# Altium PCB PowerSupply.PcbDoc
Units mil, origin at the board's own origin, x right, y up, seen from the top; angles counter-clockwise.
Board outline 3937.01 x 3937.01 mil, 2 copper layers (Top Layer, Bottom Layer); 88 components, 60 nets, 305 pads, 83 vias.
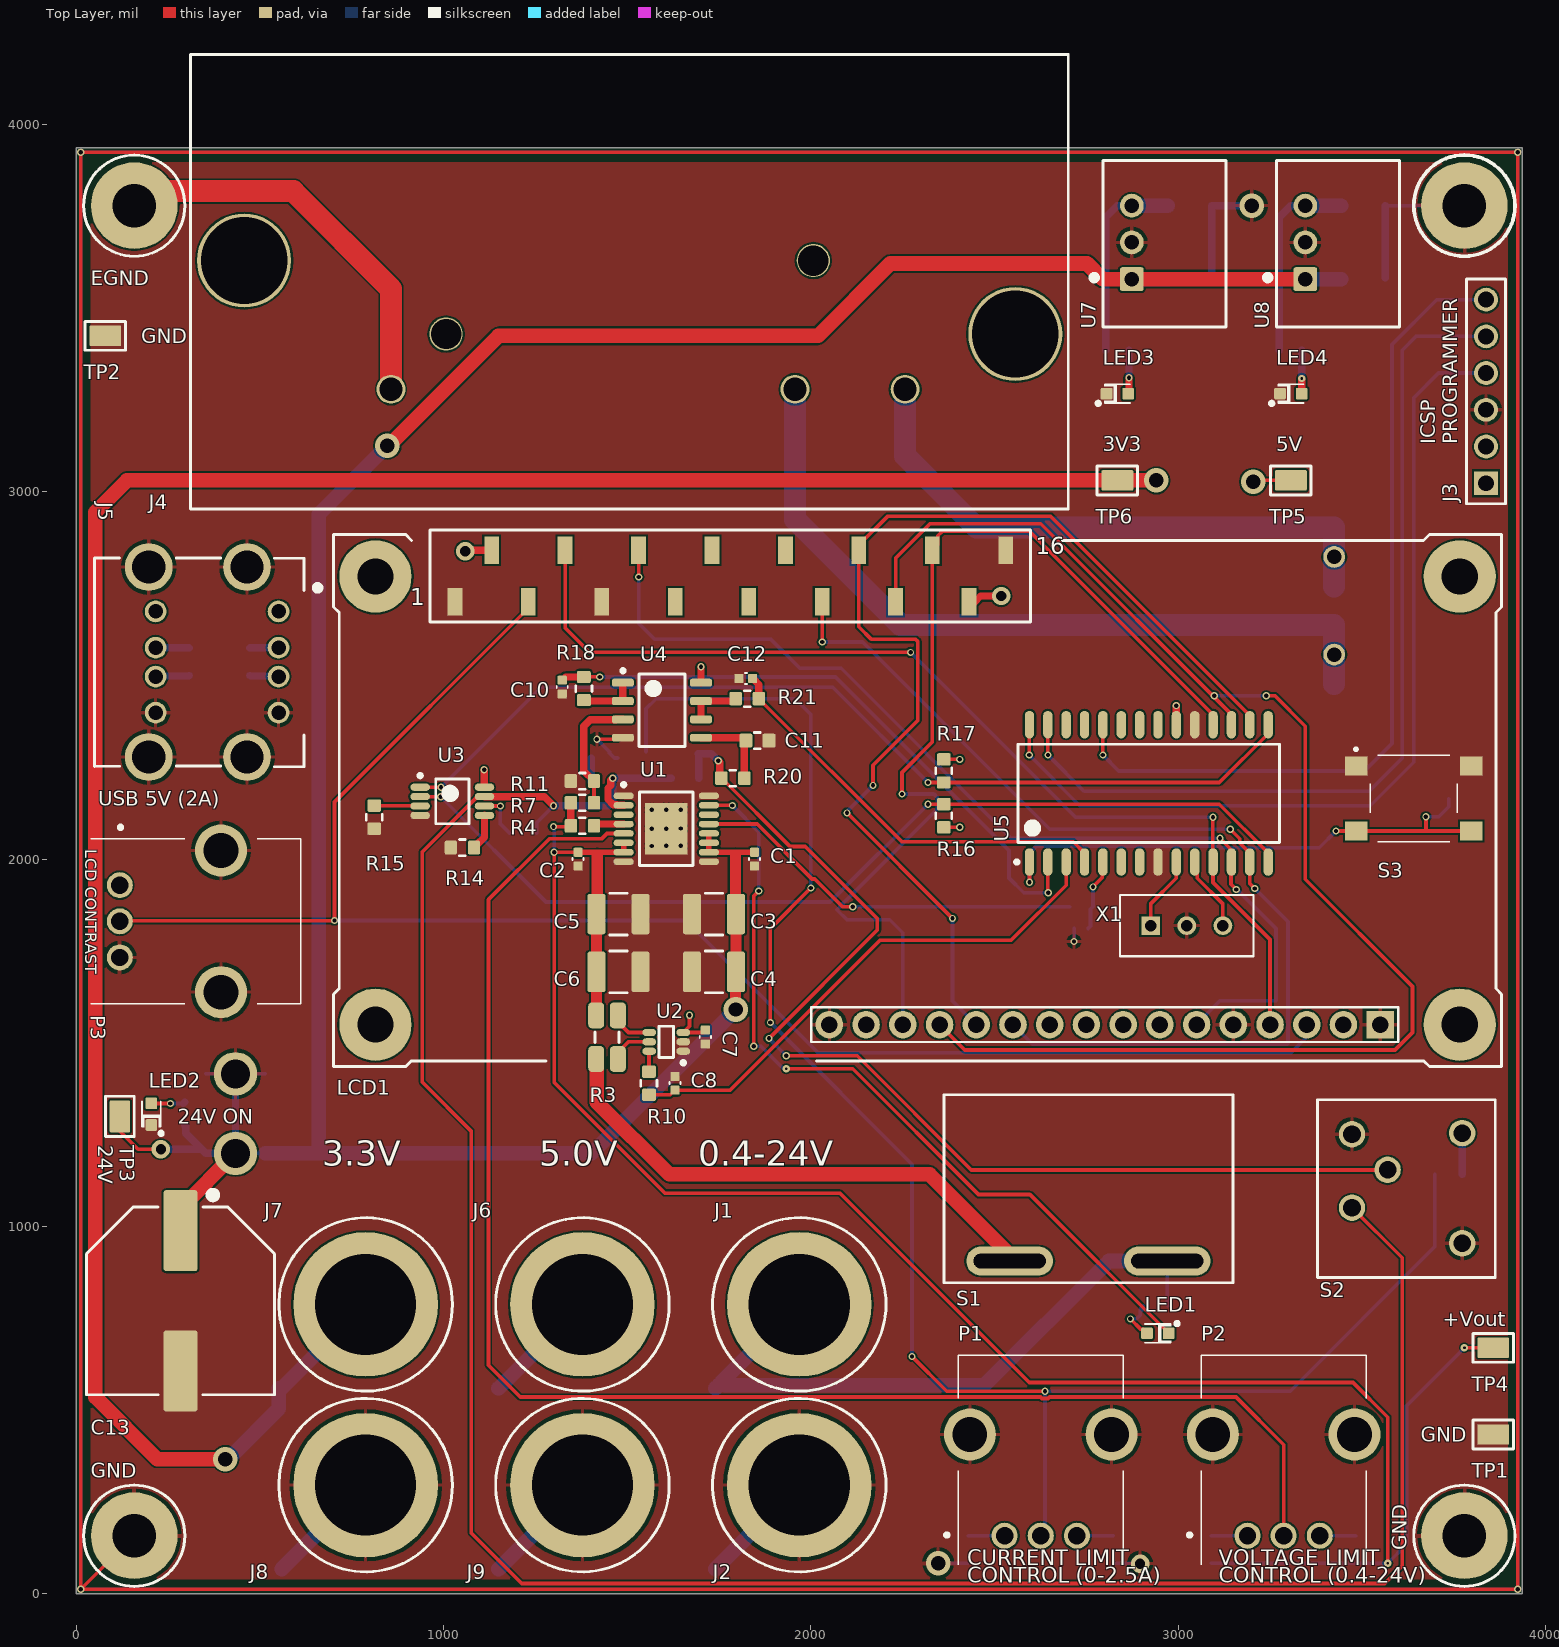
[diagram p0: Top Layer view]
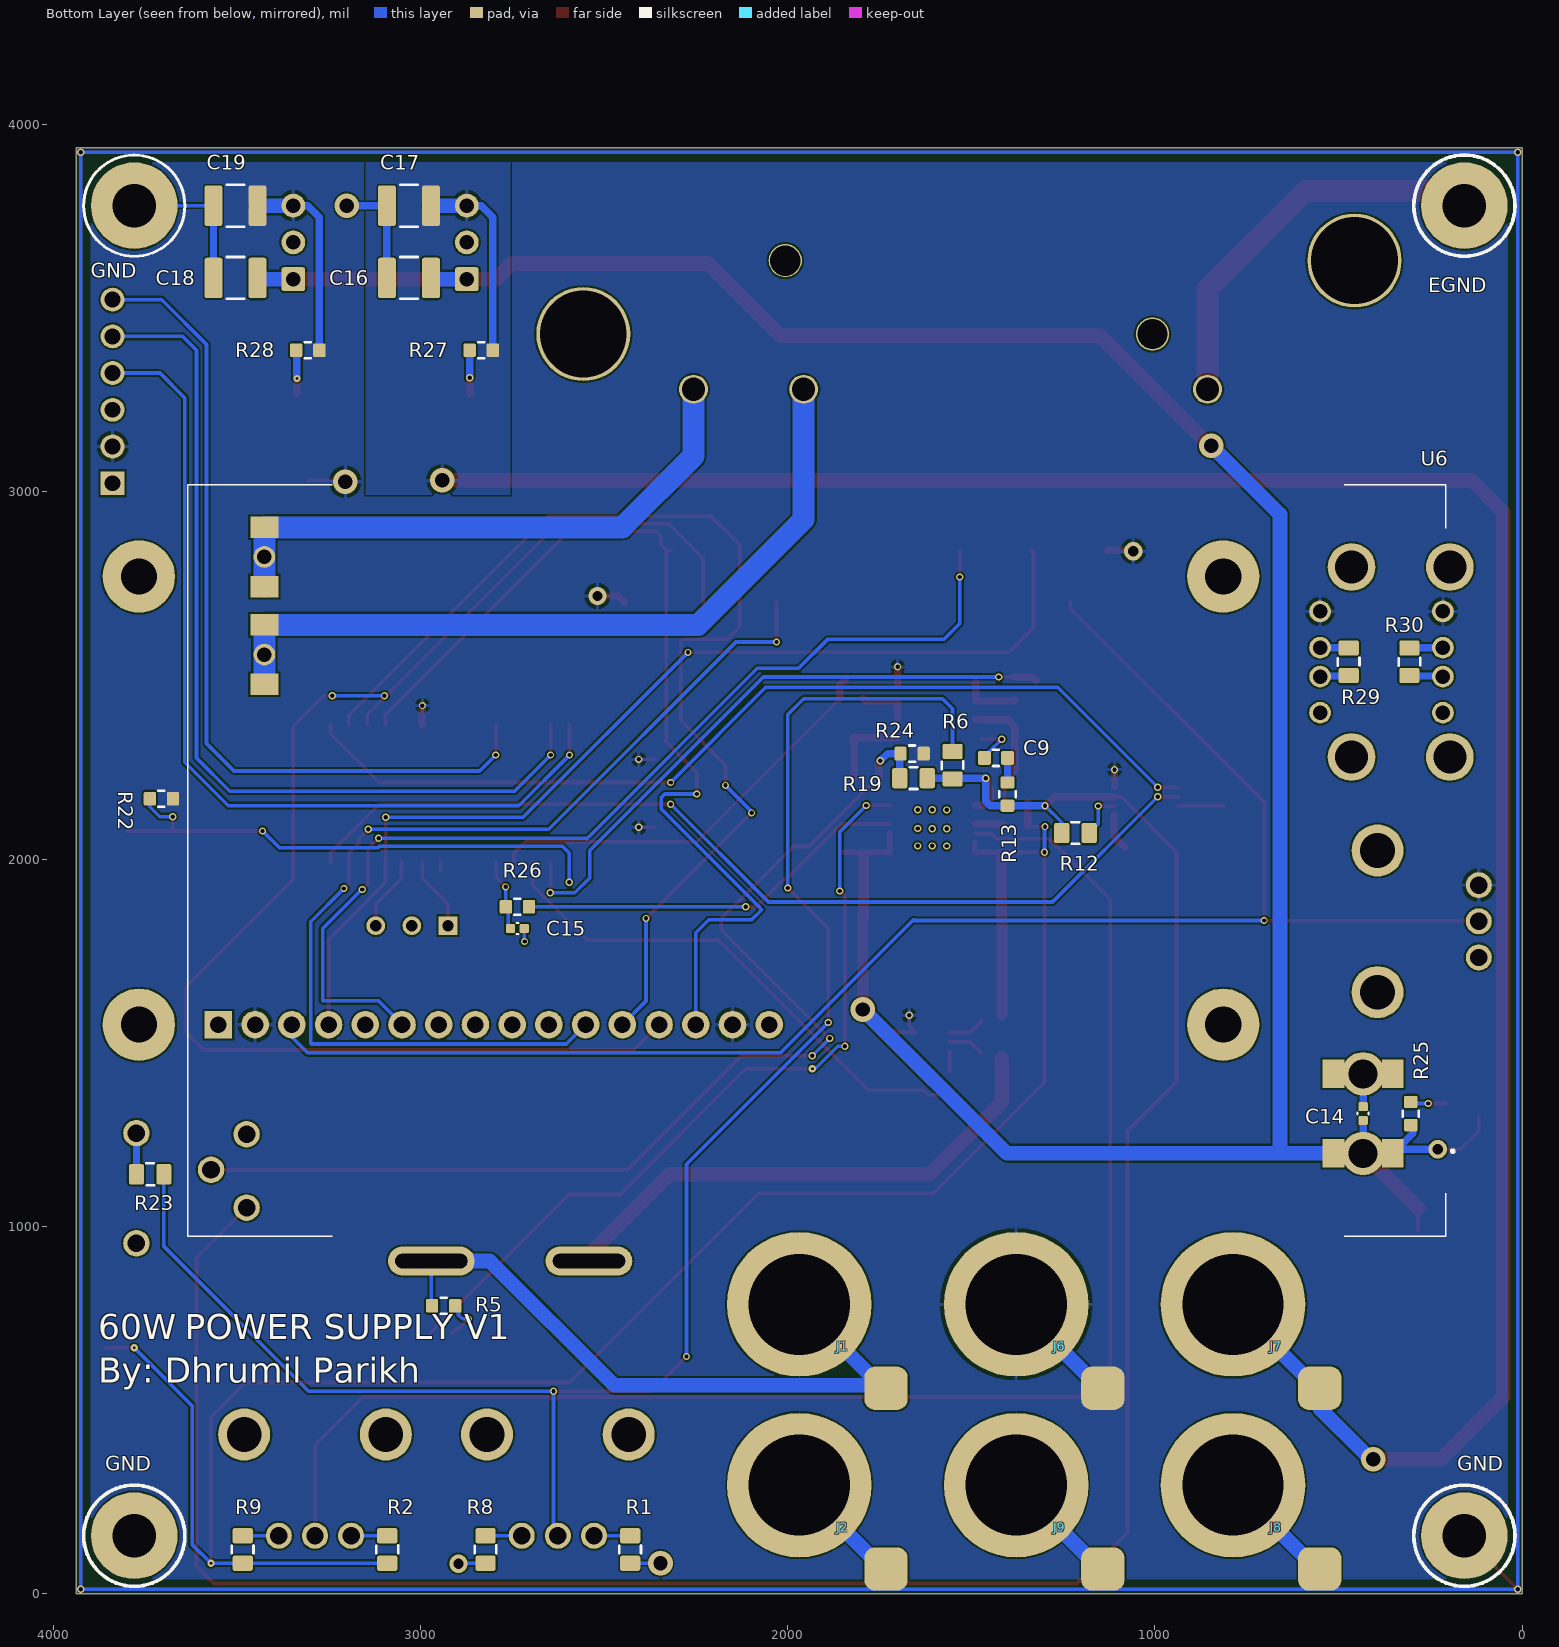
[diagram p1: Bottom Layer view, seen from below]

## Layer stack, top to bottom
Top Solder: solder mask 0.4, Solder Resist, Dk 3.5
Top Layer: signal copper 1.4
Dielectric 1: dielectric 12.6, FR-4, Dk 4.8
Bottom Layer: signal copper 1.4
Bottom Solder: solder mask 0.4, Solder Resist, Dk 3.5

## Board outline
0,0 3937.01,0 3937.01,3937.01 0,3937.01

## Design rules (kind name [scope] priority, off if disabled: settings)
Clearance [All] p1: gap=5 ignorepadtopadclearanceinfootprint=FALSE
ComponentClearance [All] p1: gap=10 collisioncheckmode=3 verticalgap=0 showdistances=FALSE
Height [All] p1: minheight=0 maxheight=3937.01 prefheight=500
HoleSize [All] p1: absolutevalues=TRUE maxlimit=393.7 minlimit=1 maxpercent=80.000 minpercent=20.000
MinimumAnnularRing [All] p1: minimumring=3
MinimumSolderMaskSliver [All] p1: minsoldermaskwidth=5
PolygonConnect [All] p1: thpad.connectstyle=Relief thpad.reliefconductorwidth=10 thpad.reliefentries=4 thpad.polygonreliefangle="90 Angle" thpad.airgapwidth=10 smdpad.connectstyle=Direct smdpad.reliefconductorwidth=10 smdpad.reliefentries=4 smdpad.polygonreliefangle="90 Angle" smdpad.airgapwidth=10 via.connectstyle=Relief via.reliefconductorwidth=10 via.reliefentries=4 via.polygonreliefangle="90 Angle" via.airgapwidth=10
RoutingVias [All] p1: holewidth=11.81 width=19.68 viastyle="Through Hole" minholewidth=7.87 minwidth=17.72 maxholewidth=50 maxwidth=70
SilkToSilkClearance [All] p1: silktosilkclearance=5
SilkToSolderMaskClearance [IsPad] p1: minsilkscreentomaskgap=2 clearancetoexposedcopper=TRUE
SolderMaskExpansion [All] p1: expansion=4
UnRoutedNet [All] p1: checkbadconnections=TRUE
Width [All] p1: maxlimit=100 minlimit=10 preferedwidth=10
23 further rules are at their usual default settings.

## Components (designator, comment, footprint, x,y, rotation, side; value= is the part's Value field where it differs from the comment)
C1 "CAP CER 0.1UF 50V X7R 0402" CAPC1005X06N 1846.46,2000 r270 top locked value=0.1uF
C2 "CAP CER 0.1UF 50V X7R 0402" CAPC1005X06N 1366.14,2000 r270 top locked value=0.1uF
C3 "CAP CER 10UF 50V X7S 1210" CAPC3225X28N 1736.22,1850.39 r180 top locked value=10uF
C4 "CAP CER 10UF 50V X7S 1210" CAPC3225X28N 1736.22,1692.91 r180 top locked value=10uF
C5 "CAP CER 10UF 50V X7S 1210" CAPC3225X28N 1476.38,1850.39 r0 top locked value=10uF
C6 "CAP CER 10UF 50V X7S 1210" CAPC3225X28N 1476.38,1692.91 r0 top locked value=10uF
C7 "CAP CER 0.1UF 50V X7R 0402" CAPC1005X06N 1712.6,1515.75 r270 top value=0.1uF
C8 "CAP CER 0.1UF 50V X7R 0402" CAPC1005X06N 1629.92,1389.76 r90 top value=0.1uF
C9 "CAP CER 10000PF 50V 5% C0G 0603" CAPC1608X09N 1433.07,2275.59 r180 bottom locked value=10nF
C10 "CAP CER 0.1UF 50V X7R 0402" CAPC1005X06N 1322.83,2468.5 r270 top locked value=0.1uF
C11 "CAP CER 10000PF 50V 5% C0G 0603" CAPC1608X09N 1854.33,2322.83 r180 top value=10nF
C12 "CAP CER 0.1UF 50V X7R 0402" CAPC1005X06N 1822.83,2492.13 r180 top locked value=0.1uF
C13 "CAP ALUM 100UF 20% 100V SMD" CAPAE1300X1400N 283.46,797.24 r270 top locked value=100uF
C14 "CAP CER 0.1UF 50V X7R 0402" CAPC1005X06N 433.07,1307.09 r90 bottom value=0.1uF
C15 "CAP CER 0.1UF 50V X7R 0402" CAPC1005X06N 2736.22,1811.02 r180 bottom value=0.1uF
C16 "CAP CER 10UF 50V X7S 1210" CAPC3225X28N 3031.5,3582.68 r0 bottom locked value=10uF
C17 "CAP CER 10UF 50V X7S 1210" CAPC3225X28N 3031.5,3779.53 r0 bottom locked value=10uF
C18 "CAP CER 10UF 50V X7S 1210" CAPC3225X28N 3503.94,3582.68 r0 bottom locked value=10uF
C19 "CAP CER 10UF 50V X7S 1210" CAPC3225X28N 3503.94,3779.53 r0 bottom locked value=10uF
EGND "MTG_HOLE PTH, 3.0mm" MH_PTH_H3.0mmXP6.0mm 157.48,3779.53 r90 top locked value=PTH_3.0MM (schematic designator H4)
GND "MTG_HOLE PTH, 3.0mm" MH_PTH_H3.0mmXP6.0mm 3779.53,157.48 r90 top locked value=PTH_3.0MM (schematic designator H1)
GND "MTG_HOLE PTH, 3.0mm" MH_PTH_H3.0mmXP6.0mm 3779.53,3779.53 r90 bottom locked value=PTH_3.0MM (schematic designator H2)
GND "MTG_HOLE PTH, 3.0mm" MH_PTH_H3.0mmXP6.0mm 157.48,157.48 r90 top value=PTH_3.0MM (schematic designator H3)
J1 "CONN BIND POST KNURLED RED" PRT-09739 1968.5,787.4 r0 top locked value="Binding Post Red"
J2 "CONN BIND POST KNURLED BLACK" PRT-09740 1968.5,295.28 r0 top locked value="Binding Post Black"
J3 "CONN HEADER VERT 6POS 2.54MM" 61300611121 3838.58,3023.62 r90 top locked value="HEADER VERT 6POS"
J4 "PWR ENT MOD RCPT IEC320-C14 PNL" KP01.1112.11 456.69,3629.92 r180 top value="Power Entry Connector"
J5 "CONN RCPT TYPEA STACK 8POS VERT" USB-A2VSW6 550.39,2536.61 r270 top value=USB-A2VSW6
J6 "CONN BIND POST KNURLED RED" PRT-09739 1377.95,787.4 r0 top locked value="Binding Post Red"
J7 "CONN BIND POST KNURLED RED" PRT-09739 787.4,787.4 r0 top locked value="Binding Post Red"
J8 "CONN BIND POST KNURLED BLACK" PRT-09740 787.4,295.28 r0 top locked value="Binding Post Black"
J9 "CONN BIND POST KNURLED BLACK" PRT-09740 1377.95,295.28 r0 top locked value="Binding Post Black"
LCD1 "STANDARD LCD 16X2 + EXTRAS" LCD_16pin 715.75,2868.11 r0 top locked value="LCD 16X2"
LED1 "LED GREEN" "LED LTST-C190KGKT" 2944.88,708.66 r0 top value=GREEN
LED2 "LED GREEN" "LED LTST-C190KGKT" 203.94,1305.53 r270 top locked value=GREEN
LED3 "LED GREEN" "LED LTST-C190KGKT" 2834.65,3267.72 r180 top locked value=GREEN
LED4 "LED GREEN" "LED LTST-C190KGKT" 3307.09,3267.72 r180 top locked value=GREEN
P1 "POT 10K OHM 1/20W CARBON LOG" PTV09A 2527.56,157.48 r0 top locked value="POT 10K"
P2 "POT 500K OHM 1/20W CARBON LOG" PTV09A 3188.98,157.48 r0 top locked value="POT 500K OHM 1/20W"
P3 "POT 10K OHM 1/20W CARBON LOG" PTV09A 118.11,1929.13 r270 top value="POT 10K OHM 1/20W"
R1 "RES SMD 0 OHM JUMPER 1/8W 0805" RESC2012X07N 2429.13,120.08 r270 bottom locked value=0R
R2 "RES SMD 0 OHM JUMPER 1/8W 0805" RESC2012X07N 3090.55,120.08 r270 bottom locked value=0R
R3 "RES 0.01 OHM 0.5% 1/2W 1206 WIDE" FC4TR010DER 1444.88,1515.75 r270 top locked value=0R01
R4 "RES SMD 10K OHM 1% 1/4W 0603" RESC1608X06N 1377.95,2090.55 r0 top locked value=10K0
R5 "RES SMD 1K OHM 1% 1/10W 0603" RESC1608X06N 2937.01,783.46 r0 bottom value=1K0
R6 "RES SMD 0 OHM JUMPER 1/8W 0805" RESC2012X07N 1551.18,2255.91 r270 bottom locked value=0R
R7 "RES SMD 40K OHM 0.1% 0.15W 0603" RESC1608X06N 1377.95,2153.54 r180 top locked value=40K
R8 "RES SMD 0 OHM JUMPER 1/8W 0805" RESC2012X07N 2822.83,120.08 r90 bottom locked value=0R
R9 "RES SMD 0 OHM JUMPER 1/8W 0805" RESC2012X07N 3484.25,120.08 r90 bottom locked value=0R
R10 "RES SMD 200 OHM 1% 1/10W 0603" RESC1608X06N 1559.06,1389.76 r270 top value=200R
R11 "RES SMD 10K OHM 1% 1/4W 0603" RESC1608X06N 1377.95,2212.6 r0 top locked value=10K0
R12 "RES SMD 0 OHM JUMPER 1/8W 0805" RESC2012X07N 1216.54,2070.87 r180 bottom value=0R
R13 "RES SMD 1K OHM 1% 1/10W 0603" RESC1608X06N 1401.57,2177.17 r270 bottom locked value=1K0
R14 "RES SMD 40K OHM 0.1% 0.15W 0603" RESC1608X06N 1051.18,2031.5 r0 top locked value=40K
R15 "RES SMD 160K OHM 1% 1/10W 0603" RESC1608X06N 811.02,2114.17 r90 top locked value=160K
R16 "RES SMD 10K OHM 1% 1/4W 0603" RESC1608X06N 2362.2,2118.11 r90 top locked value=10K0
R17 "RES SMD 10K OHM 1% 1/4W 0603" RESC1608X06N 2362.2,2240.16 r270 top locked value=10K0
R18 "RES SMD 200 OHM 1% 1/10W 0603" RESC1608X06N 1381.89,2464.57 r90 top locked value=200R
R19 "RES SMD 0 OHM JUMPER 1/8W 0805" RESC2012X07N 1657.48,2220.47 r180 bottom locked value=0R
R20 "RES SMD 10K OHM 1% 1/4W 0603" RESC1608X06N 1787.4,2220.47 r180 top locked value=10K0
R21 "RES SMD 200 OHM 1% 1/10W 0603" RESC1608X06N 1826.77,2437.01 r0 top locked value=200R
R22 "RES SMD 10K OHM 1% 1/4W 0603" RESC1608X06N 3705.55,2164.53 r180 bottom value=10K0
R23 "RES SMD 0 OHM JUMPER 1/8W 0805" RESC2012X07N 3736.22,1141.73 r0 bottom locked value=0R
R24 "RES SMD 10K OHM 1% 1/4W 0603" RESC1608X06N 1661.42,2287.4 r180 bottom locked value=10K0
R25 "RES SMD 10K OHM 1% 1/4W 0603" RESC1608X06N 303.15,1307.09 r270 bottom locked value=10K0
R26 "RES SMD 200 OHM 1% 1/10W 0603" RESC1608X06N 2736.22,1870.08 r0 bottom locked value=200R
R27 "RES SMD 1K OHM 1% 1/10W 0603" RESC1608X06N 2834.65,3385.83 r180 bottom value=1K0
R28 "RES SMD 1K OHM 1% 1/10W 0603" RESC1608X06N 3307.09,3385.83 r180 bottom value=1K0
R29 "RES SMD 0 OHM JUMPER 1/8W 0805" RESC2012X07N 472.44,2537.4 r90 bottom locked value=0R
R30 "RES SMD 0 OHM JUMPER 1/8W 0805" RESC2012X07N 307.09,2537.4 r90 bottom locked value=0R
S1 "SWITCH PUSH SPST 15A 250V" PB1973ABLKBLKEF0 2755.91,905.51 r0 top locked value="SWITCH PUSH SPST"
S2 "SWITCH PUSH SPDT 0.025A 50V" KS12R22CQD 3622.05,1102.36 r0 top locked value="SWITCH SPDT-MOM"
S3 "SWITCH TACTILE SPST-NO 0.05A 12V" PTS645SM43SMTR92LFS 3641.73,2165.35 r0 top locked value="SWITCH SPST MOM"
TP1 "Testpoint Harwin S2751-46R" TP_HARWIN_2751-46R 3858.27,433.07 r180 top locked
TP2 "Testpoint Harwin S2751-46R" TP_HARWIN_2751-46R 78.74,3425.2 r180 top
TP3 "Testpoint Harwin S2751-46R" TP_HARWIN_2751-46R 118.11,1299.21 r270 top
TP4 "Testpoint Harwin S2751-46R" TP_HARWIN_2751-46R 3858.27,669.29 r0 top locked
TP5 "Testpoint Harwin S2751-46R" TP_HARWIN_2751-46R 3307.09,3031.5 r180 top locked
TP6 "Testpoint Harwin S2751-46R" TP_HARWIN_2751-46R 2834.65,3031.5 r180 top locked
U1 "IC REG LIN POS ADJ 2.1A 16TSSOP" TSOP65P640X110_HS-17N 1606.3,2082.68 r0 top value=LT3086EFE#PBF
U2 "IC OPAMP CURR SENSE 14KHZ SC70-6" TSOP65P240X110-6N 1606.3,1502.46 r180 top locked value=INA199A2DCKT
U3 "IC DAC 7BIT A-OUT 8UMAX" TSOP65P490X110-8N 1023.62,2157.48 r0 top locked value=DS4432U+
U4 "IC OPA2376AIDR" SOIC127P600X175-8N_OPA2376AIDR 1594.49,2405.51 r0 top locked value=OPA2376AIDR
U5 "PIC16F876A-I/SO" SOIC127P1030X264-28N 2920.28,2179.13 r90 top locked
U6 "AC/DC CONVERTER 24V 60W" IRM6024 208.66,3019.76 r0 bottom locked
U7 "DC DC CONVERTER 3.3V 3W" DC_Module_TH_R-78Bxx-1.0 2874.02,3579.53 r90 top locked
U8 "DC DC CONVERTER 5V 10W" DC_Module_TH_R-78Bxx-1.0 3346.46,3579.53 r90 top locked
X1 "CER RESONATOR" CSTLS4M00G56-A0 3122.05,1818.9 r0 top locked value="4.0 MHz"

## Footprints (in the part's own frame and the unit in brackets; to place one, negate y for a bottom-side part, rotate by r counter-clockwise, add the part's x,y. Pads: shape width x height; smd on the part's side, far side on the other; paste and mask are expansions set on the pad)
61300611121 [mm]
  rect 1.65x1.65 hole 1.1: 1(0,0)
  round 1.65 hole 1.1: 2(2.54,0) 3(5.08,0) 4(7.62,0) 5(10.16,0) 6(12.7,0)
  silkscreen extent -1.42,-1.35 14.12,1.34, body extent -1.27,-1.27 13.97,1.27, height 8.69
CAPAE1300X1400N [mm] "Capacitor,Aluminum Electrolytic;13.00mm L X 13.00mm W X 14.00mm H"
  rrect15% 5.6x2.35 smd mask+0.064: 1(-4.85,0) 2(4.85,0)
  silkscreen extent -7.56,-6.5 6.5,6.5, body extent -7.3,-6.8 7.3,6.8, height 13.3
CAPC1005X06N [mm] "0402, Body 1.0x0.5x0.60mm, IPC Medium Density"
  rrect25% 0.625x0.64 smd paste+0 mask+0.051: 1(-0.475,0) 2(0.475,0)
  silkscreen extent -0.08,-0.38 0.08,0.38, body extent -0.53,-0.27 0.53,0.28, height 0.55
CAPC1608X09N [mm] "0603, Body 1.6x0.8x0.94mm, IPC Medium Density"
  rrect25% 0.9x0.95 smd paste+0 mask+0.064: 1(-0.8,0) 2(0.8,0)
  silkscreen extent -0.2,-0.56 0.2,0.56, body extent -0.88,-0.48 0.88,0.47, height 0.87
CAPC3225X28N [mil] "1210, Body 3.20x2.50x2.8mm, IPC Medium Density"
  rrect25% 49x110.2 smd mask+2.5: 1(-60,0) 2(60,0)
  silkscreen extent -24,-57 24,57, body extent -71,-55 71,55, height 110
CSTLS4M00G56-A0 [mil]
  rect 51x51 hole 31 mask+0: 1(-196.85,0)
  round 51 hole 31 mask+0: 2(-98.43,0) 3(0,0)
  silkscreen extent -280,-83 84,84, body extent 0,0 10,10, height 10
DC_Module_TH_R-78Bxx-1.0 [mm] "Recom, DC/DC Converter, 3-pin 2.54mm pitch"
  rrect20% 1.65x1.65 hole 1 mask+0.064: 1(0,0)
  round 1.65 hole 1 mask+0.064: 2(2.54,0) 3(5.08,0)
  silkscreen extent -3.3,-6.5 8.2,2.8, body extent -3.3,-6.5 8.2,2, height 19
FC4TR010DER [mm] "1206 WIDE"
  rrect50% 1.8x1.1 smd: 1(-1.5,-0.75) 2(1.525,-0.75) 3(-1.5,0.75) 4(1.525,0.75)
  silkscreen extent -0.33,-0.82 0.37,0.82, body extent -1.65,-0.87 1.65,0.88, height 0.65
IRM6024 [mm]
  rect 1.5x1.95 smd: 1(3.648,46.25) 1(7.752,46.25) 2(3.648,40.75) 2(7.752,40.75)
  round 3 hole 2: 1(5.7,46.25) 2(5.7,40.75)
  rect 1.95x1.5 smd: 3(81.7,2.948) 3(81.7,7.052) 4(81.7,9.698) 4(81.7,13.802)
  round 1.5 hole 1: 3(81.7,5) 4(81.7,11.75)
  silkscreen extent -0.6,0 87,52, body extent 0,0 87,52, height 33
KP01.1112.11 [mm] "PWR ENT MOD RCPT IEC320-C14 PNL"
  round 2 hole 1.6: GND(-10.16,8.9) L(-45.72,8.9) N(-38.1,8.9)
  round 6.5 hole 6 unplated: ""(-53.34,5.08) ""(0,0)
  round 2.3 hole 2.1 unplated: ""(-39.37,0) ""(-13.97,5.08)
  silkscreen extent -57,-14.26 3.7,17.18, body extent -57.04,-14.18 3.64,17.18, height 36.61
KS12R22CQD [mm]
  round 1.83 hole 1.22: 1(3.85,3.85) 3(-1.31,1.31) 4(-3.77,-1.31) M1(-3.77,3.77) M2(3.85,-3.77)
  silkscreen extent -6.16,-6.14 6.14,6.16, body extent -6.16,-6.16 6.16,6.16, height 11
LCD_16pin [mm]
  round 5 hole 2.5: 0(2.5,-33.5) 0(2.5,-2.5) 0(77.5,-33.5) 0(77.5,-2.5)
  rect 1.02x1.905 smd: 1(8,-4.25) 2(10.54,-0.694) 3(13.08,-4.25) 4(15.62,-0.694) 5(18.16,-4.25) 6(20.7,-0.694) 7(23.24,-4.25) 8(25.78,-0.694) 9(28.32,-4.25) 10(30.86,-0.694) 11(33.4,-4.25) 12(35.94,-0.694) 13(38.48,-4.25) 14(41.02,-0.694) 15(43.56,-4.25) 16(46.1,-0.694)
  rect 1.905x1.905 hole 1.143: 1(72,-33.5)
  round 1.905 hole 1.143: 2(69.46,-33.5) 3(66.92,-33.5) 4(64.38,-33.5) 5(61.84,-33.5) 6(59.3,-33.5) 7(56.76,-33.5) 8(54.22,-33.5) 9(51.68,-33.5) 10(49.14,-33.5) 11(46.6,-33.5) 12(44.06,-33.5) 13(41.52,-33.5) 14(38.98,-33.5) 15(36.44,-33.5) 16(33.9,-33.5)
  silkscreen extent -0.4,-36.4 80.4,0.71, body extent -0.1,-36.3 79.9,-0.28, height 18.4
"LED LTST-C190KGKT" [mm]
  rrect20% 0.8x0.8 smd mask+0.064: A(-0.75,0) K(0.75,0)
  silkscreen extent -0.9,-0.69 1.45,0.8, body extent -0.91,-0.51 0.91,0.51, height 0.81
MH_PTH_H3.0mmXP6.0mm [mm] "Plated Through Hole, 3.0mm hole x 6.0mm pad"
  round 6 hole 3 mask+0.064: 1(0,0)
  silkscreen extent -3.5,-3.5 3.5,3.5
PB1973ABLKBLKEF0 [mm] "SWITCH PUSH SPST 15A 250V"
  oval 6x2 hole 1 slot 5 at 0 deg: 1(-5.45,0) 2(5.45,0)
  silkscreen extent -10,-1.5 10,11.5, body extent -10.5,-2.5 10.5,12.5, height 24.4
PRT-09739 [mm] "Binding Post Red"
  rrect50% 3x3 smd far side paste-1.27: 1(-6,-5.8)
  round 10 hole 7: 1(0,0)
  silkscreen extent -6,-6 6,6, body extent -5.79,-5.8 5.7,5.69, height 29.41
PRT-09740 [mm] "Binding Post Black"
  rrect50% 3x3 smd far side paste-1.27: 1(-6,-5.8)
  round 10 hole 7: 1(0,0)
  silkscreen extent -6,-6 6,6, body extent -5.79,-5.8 5.7,5.69, height 29.41
PTS645SM43SMTR92LFS [mm]
  rect 1.55x1.3 smd: 1(-3.975,2.25) 2(3.975,2.25) 3(-3.975,-2.25) 4(3.975,-2.25)
  silkscreen extent -4.1,-3 3,3.5, body extent -4.5,-3 4.5,3, height 4.3
PTV09A [mm] "POT 10K/500K"
  round 1.8 hole 1.2: 1(0,0) 2(2.5,0) 3(5,0)
  round 3.6 hole 2.4: M1(-2.4,7) M2(7.4,7)